# Altium PCB MU_MP_39_V1_ASMB.PcbDoc (part 5 of 15)
Units mm, origin at the board's own origin, x right, y up, seen from the top; angles counter-clockwise.
Board outline 133 x 94 mm, 8 copper layers (Top Layer, GND_1, POWER_1, POWER_2, GND_2, Inner_Layer, GND_3, Bottom Layer), stack 1.468 mm thick; 934 components, 729 nets, 4006 pads, 2645 vias.
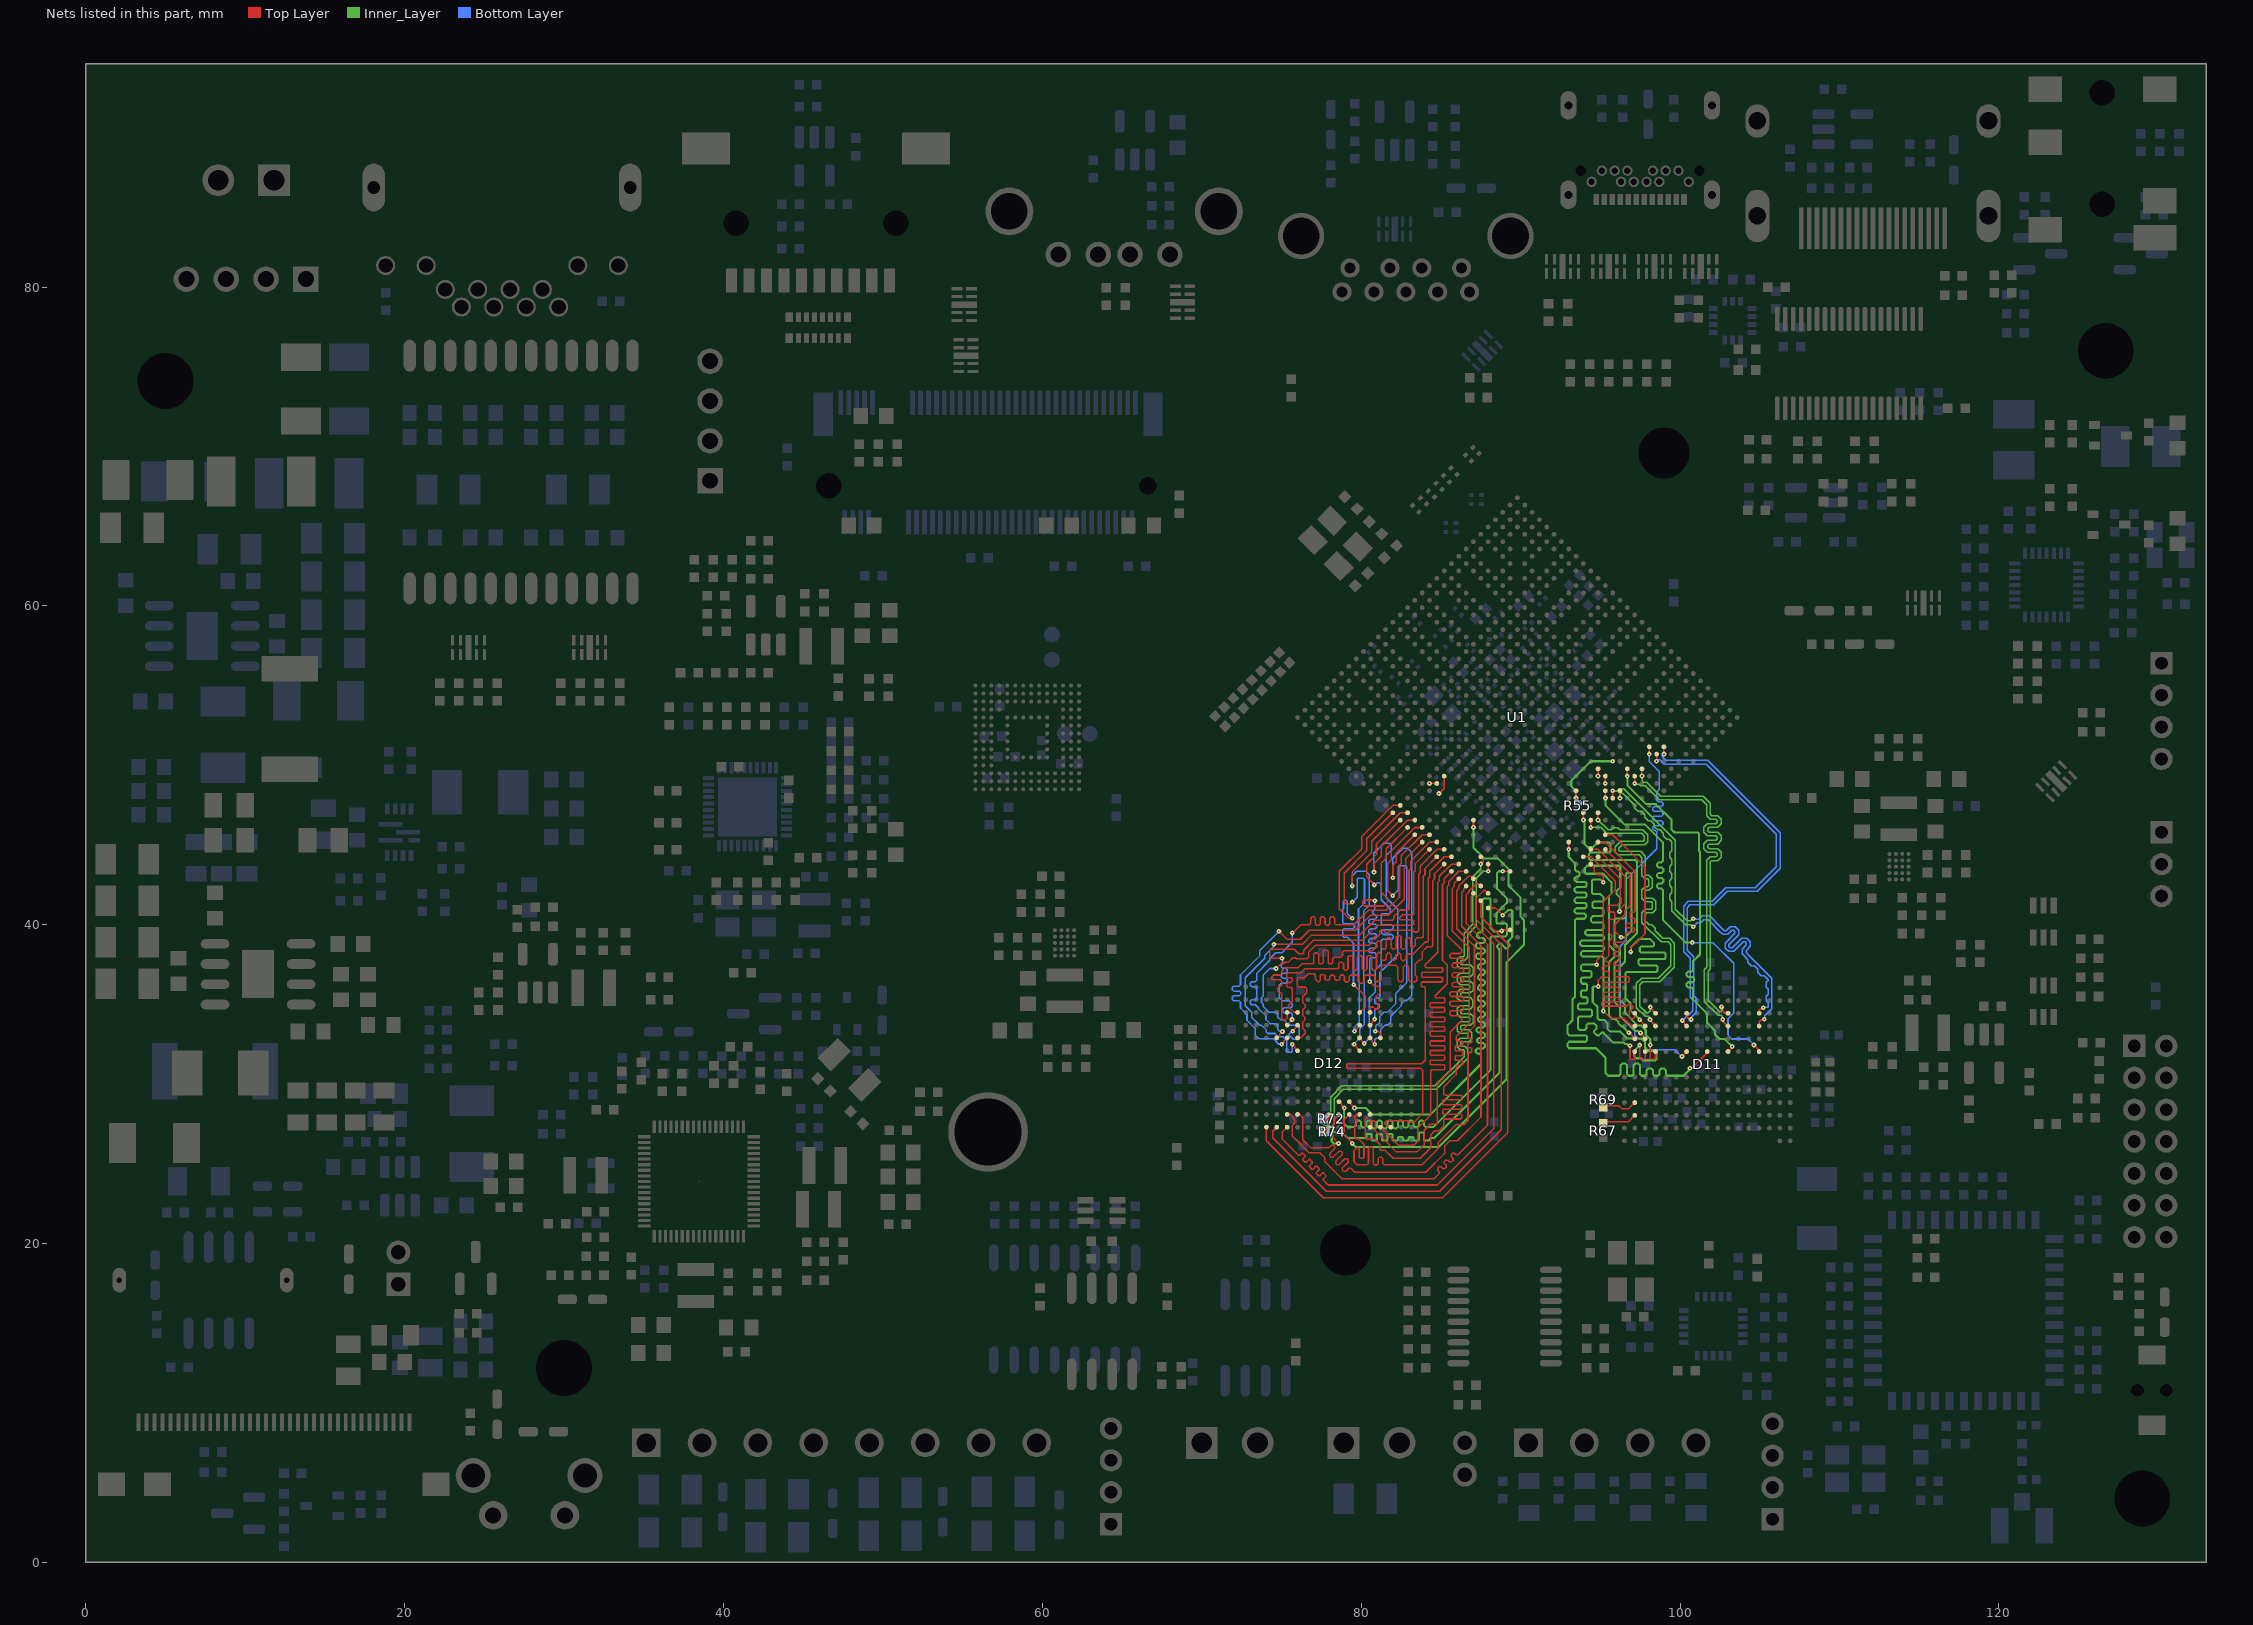
[diagram p11: the nets of this part, all layers, seen from the top]

## Via types
v1: diameter 0.3, hole 0.1, Top Layer to Bottom Layer, tented both sides, 1670 vias
v2: diameter 0.4, hole 0.2, Top Layer to Bottom Layer, tented both sides, 843 vias
v3: diameter 0.6, hole 0.3, Top Layer to Bottom Layer, tented both sides, 132 vias

## Nets (pads, with @x,y where several pads share a name; then routed paths per layer and width w, separated by ;. In a path a pad name is that pad's centre, name@x,y a point inside that pad or via, vN(x,y) a via of type N, cw(c..) or ccw(c..) an arc to the next point about the centre after c; other vN are vias at no path point) (continued)
DDR0_D25: D11.C10 U1.P2 | length 23.7
  Top Layer w0.1: U1.P2@95.316,45.646 95.786,45.646 96.468,44.964 97.776,43.656 97.802,43.63 97.802,39.427 96.912,38.537 v1(96.912,38.297) ; v1(97.472,34.038) 97.65,33.86 97.65,33.8 D11.C10@97.805,33.645
  Inner_Layer w0.13: v1(96.912,38.297) 96.912,38.588 97.424,39.1 98.125,39.1 98.375,38.85 98.375,38.701 98.299,38.625 97.551,38.625 97.475,38.549 97.475,38.35 97.575,38.25 98.8,38.25 99.024,38.25 99.1,38.174 99.1,37.926 99.024,37.85 97.476,37.85 97.4,37.774 97.4,37.526 97.476,37.45 98.499,37.45 98.575,37.374 98.575,37.101 98.499,37.025 96.651,37.025 96.575,36.949 96.575,35.402 96.886,35.09 96.886,34.639 97.472,34.053 v1(97.472,34.038)
DDR0_D26: D11.C9 U1.N1 | length 23.7
  Top Layer w0.1: U1.N1@95.323,44.727 96.872,43.178 96.872,41.197 96.55,40.875 96.55,40.649 95.871,39.97 95.871,39.643 v1(96.302,39.211) ; v1(97.518,33.217) 97.518,33.216 97.675,33.058 97.675,32.975 97.805,32.845 D11.C9@97.813,32.845
  Inner_Layer w0.13: v1(96.302,39.211) 96.561,39.211 96.95,39.6 96.95,43.174 96.874,43.25 96.676,43.25 96.6,43.174 96.6,40.51 96.469,40.38 95.956,40.38 95.88,40.304 95.88,38.845 96.22,38.505 96.22,37.865 95.88,37.525 95.88,35.163 96.226,34.817 96.226,34.299 97.181,33.344 97.357,33.344 97.484,33.217 v1(97.518,33.217)
DDR0_D27: D11.C8 U1.M1 | length 23.5
  Top Layer w0.1: U1.M1@94.856,44.267 96.252,42.871 96.252,41.425 96.051,41.225 95.559,41.225 95.5,41.166 95.5,40.859 95.559,40.8 95.841,40.8 95.9,40.741 95.9,40.425 95.83,40.355 95.599,40.355 95.54,40.296 95.54,39.51 95.725,39.325 95.725,39.15 95.54,38.965 95.54,38.065 95.304,37.829 95.304,37.746 95.363,37.688 95.516,37.688 95.575,37.629 95.575,37.484 95.516,37.425 95.189,37.425 95.131,37.366 95.131,37.144 95.2,37.075 95.482,37.075 95.54,37.016 95.54,36.759 95.482,36.7 95.05,36.7 94.88,36.53 94.875,36.524 94.875,36.136 v1(94.864,36.125) ; v1(97.475,32.45) 97.475,31.609 97.534,31.55 97.754,31.55 97.813,31.609 D11.C8@97.813,32.046
  Inner_Layer w0.13: v1(94.864,36.125) 94.601,36.125 94.525,36.049 94.525,35.147 94.829,34.843 94.829,34.12 94.92,34.03 95.236,34.03 95.439,33.827 95.439,33.486 95.631,33.293 96.252,33.293 96.683,32.861 97.614,32.861 97.8,32.675 97.8,32.3 98.013,32.088 98.412,32.088 98.522,31.978 98.522,31.576 98.446,31.5 97.675,31.5 97.55,31.625 97.25,31.625 97.1,31.775 97.1,32.075 v1(97.475,32.45)
DDR0_D28: D11.B11 U1.N2 | length 25.6
  Top Layer w0.1: U1.N2@94.856,45.186 95.308,45.186 97.175,43.32 97.175,40.834 97.116,40.775 96.934,40.775 96.875,40.716 96.875,40.46 96.934,40.402 97.116,40.402 97.175,40.343 97.175,40.163 97.116,40.105 96.684,40.105 96.625,40.046 96.625,39.858 96.684,39.8 97.077,39.8 97.159,39.717 97.159,39.634 97.15,39.625 ; 97.15,39.624 97.063,39.537 96.661,39.537 96.602,39.479 96.602,39.077 96.426,38.9 95.909,38.9 95.85,38.841 95.85,38.634 95.909,38.575 96.166,38.575 96.225,38.516 96.225,38.35 96.175,38.3 95.899,38.3 95.84,38.241 95.84,38.109 95.899,38.05 96.15,38.05 96.225,37.975 96.225,37.75 96.175,37.7 95.934,37.7 95.875,37.641 95.875,37.509 95.934,37.45 96.15,37.45 96.225,37.375 96.225,37.15 96.175,37.1 95.899,37.1 95.84,37.041 95.84,36.784 95.899,36.725 96.766,36.725 96.825,36.666 96.825,36.459 96.766,36.4 95.234,36.4 95.175,36.341 95.175,36.134 95.234,36.075 96.141,36.075 96.2,36.016 96.2,35.816 96.141,35.757 95.234,35.757 95.175,35.698 95.175,35.511 95.234,35.452 96.141,35.452 96.2,35.394 96.2,35.234 96.141,35.175 95.159,35.175 95.1,35.116 95.1,34.959 95.159,34.9 96.652,34.9 96.768,35.017 96.896,35.017 97.04,34.873 97.04,34.79 96.825,34.575 96.825,34.182 96.884,34.123 97.061,34.123 97.163,34.225 D11.B11@97.163,34.445
DDR0_D29: D11.B10 U1.L1 | length 23.5
  Top Layer w0.1: U1.L1@94.396,43.808 94.627,43.577 94.627,43.323 94.798,43.152 95.052,43.152 95.185,43.019 v1(95.185,42.666) ; v1(95.185,34.589) 95.642,34.131 96.477,34.131 96.963,33.645 D11.B10@97.163,33.645
  Inner_Layer w0.13: v1(95.185,42.666) 95.001,42.85 94.551,42.85 94.475,42.774 94.475,42.001 94.551,41.925 95,41.925 95.205,41.72 95.205,41.526 95.129,41.45 94.582,41.45 94.506,41.374 94.506,41.126 94.582,41.05 95.075,41.05 95.205,40.92 95.205,40.68 95.075,40.55 94.543,40.55 94.425,40.432 94.425,40.226 94.501,40.15 95.075,40.15 95.205,40.02 95.205,39.912 95.205,39.768 95.106,39.669 94.153,39.669 94.054,39.57 94.054,39.438 94.153,39.339 95.121,39.339 95.22,39.24 95.22,39.108 95.121,39.009 93.836,39.009 93.737,38.91 93.737,38.778 93.836,38.679 95.122,38.679 95.221,38.58 95.221,38.448 95.122,38.349 93.878,38.349 93.779,38.25 93.779,38.118 93.878,38.019 95.106,38.019 95.205,37.92 95.205,37.855 95.205,34.609 v1@95.189,34.593
DDR0_D30: D11.B9 U1.M2 | length 23.9
  Top Layer w0.1: U1.M2@94.396,44.727 94.848,44.727 96.562,43.013 96.562,41.311 96.239,40.988 96.239,40.875 v1(96.201,40.837) ; v1(96.792,33.225) 96.825,33.225 97,33.05 97,33.008 D11.B9@97.163,32.845
  Inner_Layer w0.13: 95.55,38.925 95.55,38.708 ; v1(96.201,40.837) 96.201,41.316 96.25,41.365 96.25,41.695 96.025,41.92 96.025,42.125 96.25,42.35 96.25,43.624 96.174,43.7 95.769,43.7 94.175,43.7 94.025,43.55 94.025,43.276 94.101,43.2 95.168,43.2 95.693,42.675 95.693,41.955 95.55,41.812 95.55,38.708 ; v1(96.792,33.225) 96.403,33.613 96.337,33.613 96.131,33.819 96.131,33.903 95.947,34.087 95.738,34.087 95.55,34.275 95.55,37.662 95.89,38.002 95.89,38.368 95.55,38.708
DDR0_D31: D11.B8 U1.L2 | length 23.7
  Top Layer w0.1: U1.L2@93.937,44.267 94.169,44.267 94.408,44.267 95.947,42.728 95.947,42.209 95.185,41.447 95.185,38.166 94.778,37.76 v1(94.778,37.484) ; v1@96.871,32.404 v1(96.861,32.404) 96.863,32.403 96.863,31.609 96.921,31.55 97.1,31.55 97.163,31.613 D11.B8@97.163,32.046
  Inner_Layer w0.13: v1(94.778,37.484) 94.763,37.5 93.876,37.5 93.8,37.424 93.8,37.186 93.876,37.11 94.365,37.11 94.45,37.025 94.45,36.776 94.374,36.7 93.876,36.7 93.8,36.624 93.8,36.376 93.876,36.3 94.099,36.3 94.175,36.224 94.175,35.951 94.099,35.875 93.876,35.875 93.8,35.799 93.8,35.526 93.876,35.45 94.119,35.45 94.195,35.374 94.195,35.126 94.119,35.05 93.676,35.05 93.6,34.974 93.6,34.751 93.676,34.675 94.399,34.675 94.475,34.599 94.475,34.326 94.399,34.25 93.676,34.25 93.6,34.174 93.6,33.5 93.705,33.395 94.025,33.395 94.125,33.495 94.125,33.7 94.225,33.8 94.627,33.8 94.751,33.676 94.751,33.476 94.616,33.341 94.616,33.234 94.796,33.054 94.904,33.054 95.085,33.235 95.192,33.235 95.82,32.607 96.471,32.607 96.547,32.531 96.7,32.531 96.827,32.404 v1(96.861,32.404)
DDR0_DM0: D11.L8 U1.Y5 | length 23.6
  Top Layer w0.1: v1(96.694,49.325) U1.Y5@96.694,49.783 ; D11.L8@103.013,32.046 103.021,32.046 103.237,32.262 103.237,32.323 v1(103.275,32.362)
  Inner_Layer w0.13: v1(96.694,49.325) 96.694,48.747 97.877,47.564 98.487,47.564 99.452,46.599 99.452,45.99 99.655,45.786 101.114,45.786 101.191,45.71 101.191,44.637 101.25,44.577 101.25,38.136 100.824,37.709 100.824,37.575 100.824,37.153 100.725,37.054 100.506,37.054 100.407,36.955 100.407,36.823 100.506,36.724 100.784,36.724 100.883,36.625 100.883,36.493 100.784,36.394 100.506,36.394 100.407,36.295 100.407,36.163 100.506,36.064 100.725,36.064 100.824,35.965 100.824,35.9 100.824,35.3 101.697,34.427 101.697,33.853 102.195,33.355 102.195,33.115 102.486,32.825 102.8,32.825 v1@103.263,32.362
DDR0_DM1: D11.G8 U1.AC5 | length 27
  Top Layer w0.1: v1(98.073,50.704) v1@98.073,50.729 ; v1@98.073,50.729 U1.AC5@98.073,51.162 ; v1(100.121,31.737) 100.121,31.742 100.413,32.034 D11.G8@100.413,32.046
  Bottom Layer w0.1: v1(98.073,50.704) 98.048,50.704 98.073,50.678 98.073,50.239 98.7,49.612 98.7,48.489 98.538,48.326 98.538,48.1 98.538,47.805 98.628,47.715 98.844,47.715 98.934,47.625 98.934,47.505 98.844,47.415 98.386,47.415 98.296,47.325 98.296,47.205 98.386,47.115 98.844,47.115 98.934,47.025 98.934,46.905 98.844,46.815 98.386,46.815 98.296,46.725 98.296,46.605 98.386,46.515 98.844,46.515 98.934,46.425 98.934,46.305 98.844,46.215 98.386,46.215 98.296,46.125 98.296,46.005 98.386,45.915 98.448,45.915 98.538,45.825 98.538,45.775 98.538,44.77 96.607,42.84 96.607,39.011 96.246,38.65 96.246,34.26 97.166,33.341 97.166,33.09 97.42,32.836 97.572,32.836 97.801,32.607 97.801,32.303 97.954,32.15 99.675,32.15 100.088,31.737 v1(100.121,31.737)
DDR0_DM2: D11.P8 U1.U5 | length 24.6
  Top Layer w0.1: v1(95.316,47.946) U1.U5@95.316,48.404 ; v1(104.634,32.455) 104.963,32.126 D11.P8@104.963,32.046
  Inner_Layer w0.13: v1(95.316,47.946) 95.316,47.484 96.506,46.294 97.797,46.294 98.925,45.167 98.925,44.316 98.925,44.013 98.826,43.914 98.663,43.914 98.564,43.815 98.564,43.683 98.663,43.584 98.86,43.584 98.959,43.485 98.959,43.353 98.86,43.254 98.663,43.254 98.564,43.155 98.564,43.023 98.663,42.924 98.86,42.924 98.959,42.825 98.959,42.693 98.86,42.594 98.663,42.594 98.564,42.495 98.564,42.363 98.663,42.264 98.826,42.264 98.925,42.165 98.925,42.1 98.925,40.319 100.366,38.878 v1(100.773,38.878)
  Bottom Layer w0.1: v1(100.773,38.878) 102.072,38.878 103.364,37.586 103.364,34.458 103.008,34.102 103.008,33.086 103.262,32.832 104.256,32.832 v1(104.634,32.455)
DDR0_DM3: D11.D8 U1.P5 | length 23.6
  Top Layer w0.1: v1(93.937,46.568) U1.P5@93.937,47.025 ; v1(98.131,32.455) 98.131,31.609 98.19,31.55 98.4,31.55 98.463,31.613 D11.D8@98.463,32.046
  Inner_Layer w0.13: v1(93.937,46.568) 94.016,46.488 94.016,45.053 94.21,44.86 94.535,44.86 94.825,45.15 95.544,45.15 95.625,45.069 95.625,44.601 95.549,44.525 94.376,44.525 94.3,44.449 94.3,44.126 94.376,44.05 97.2,44.05 97.3,43.95 97.3,39.476 96.55,38.726 96.55,37.685 96.21,37.345 96.21,35.3 96.556,34.954 96.556,34.469 97.351,33.674 97.572,33.674 97.848,33.399 97.848,33.102 98.131,32.819 v1(98.131,32.455)
DDR0_DQS0_N: D11.L11 U1.AA4 | length 23.8
  Top Layer w0.08: v1(97.613,49.328) U1.AA4@97.613,49.782 ; v1(102.605,34.843) 102.605,34.783 102.678,34.71 102.678,34.572 102.796,34.454 103.004,34.454 D11.L11@103.013,34.445
  Inner_Layer w0.09: v1@97.614,49.327 97.614,48.992 97.667,48.939 97.911,48.939 98.785,48.065 101.468,48.065 101.905,47.628 101.905,47.051 101.905,46.939 101.992,46.852 102.351,46.852 102.572,46.63 102.572,46.324 102.351,46.102 101.817,46.102 101.73,46.015 101.73,45.899 101.817,45.812 102.351,45.812 102.572,45.591 102.572,45.285 102.351,45.063 101.817,45.063 101.73,44.976 101.73,44.86 101.817,44.773 102.351,44.773 102.572,44.552 102.572,44.245 102.351,44.024 101.992,44.024 101.905,43.937 101.905,43.425 101.895,43.415 101.895,37.226 101.755,37.086 101.755,35.275 102.479,34.551 102.557,34.551 102.61,34.604 102.61,34.838 v1(102.605,34.843)
DDR0_DQS0_P: D11.L10 U1.Y4 | length 23.8
  Top Layer w0.08: v1@97.154,48.866 U1.Y4@97.154,49.323 ; v1(102.674,34.054) 102.716,34.012 102.716,33.909 102.98,33.645 D11.L10@103.013,33.645
  Inner_Layer w0.09: v1(97.154,48.865) 97.194,48.825 97.425,48.825 97.536,48.714 97.811,48.714 98.588,47.937 ; 98.588,47.937 98.69,47.835 101.373,47.835 101.675,47.533 101.675,47.051 101.675,46.844 101.897,46.622 102.256,46.622 102.343,46.535 102.343,46.419 102.256,46.332 101.722,46.332 101.501,46.111 101.501,45.804 101.722,45.583 102.256,45.583 102.343,45.496 102.343,45.38 102.256,45.293 101.722,45.293 101.501,45.071 101.501,44.765 101.722,44.544 102.256,44.544 102.343,44.457 102.343,44.341 102.256,44.254 101.897,44.254 101.675,44.032 101.675,43.425 101.675,43.315 101.665,43.305 101.665,37.321 101.525,37.181 101.525,35.18 102.384,34.321 102.557,34.321 102.634,34.245 102.634,34.094 v1(102.674,34.054)
DDR0_DQS1_N: D11.G11 U1.AD4 | length 27.1
  Top Layer w0.08: v1(98.992,50.704) U1.AD4@98.992,51.162 ; D11.G11@100.413,34.445 100.42,34.438 100.42,34.23 100.547,34.103 100.649,34.103 v1(100.691,34.061)
  Bottom Layer w0.08: v1(98.992,50.704) 98.879,50.59 98.879,50.524 99.098,50.305 101.746,50.305 106.271,45.779 106.271,43.537 104.829,42.094 102.963,42.094 102.118,41.25 100.625,41.25 100.45,41.075 100.45,38.41 100.864,37.997 100.864,35.535 101.025,35.374 101.025,34.515 100.733,34.223 100.733,34.103 v1(100.691,34.061)
DDR0_DQS1_P: D11.G10 U1.AC4 | length 27
  Top Layer w0.08: v1(98.525,50.251) 98.525,50.694 U1.AC4@98.533,50.702 ; v1(100.142,34) 100.15,34 100.279,33.871 100.279,33.779 D11.G10@100.413,33.645
  Bottom Layer w0.08: v1(98.525,50.251) 98.636,50.361 98.716,50.361 99.003,50.075 101.65,50.075 106.041,45.684 106.041,43.632 104.734,42.324 102.868,42.324 102.023,41.48 100.53,41.48 100.22,41.17 100.22,38.315 100.634,37.901 100.634,35.44 100.795,35.279 100.795,34.61 100.185,34 v1(100.142,34)
DDR0_DQS2_N: D11.P11 U1.V4 | length 24.6
  Top Layer w0.08: v1(96.235,47.946) 96.225,47.956 96.225,48.394 U1.V4@96.235,48.404 ; D11.P11@104.963,34.445 104.967,34.45 104.967,34.663 105.048,34.744 105.172,34.744 v1(105.214,34.786)
  Inner_Layer w0.09: v1(96.235,47.946) 96.205,47.976 96.205,48.192 96.275,48.262 96.413,48.262 97.138,47.538 97.169,47.506 97.169,47.322 97.381,47.11 97.579,47.11 97.791,46.898 97.791,46.738 98.003,46.526 98.163,46.526 98.375,46.314 98.375,46.155 98.587,45.943 98.746,45.943 98.958,45.731 98.958,45.572 99.17,45.36 99.315,45.36 99.475,45.2 99.485,45.19 99.485,44.7 99.485,44.655 99.355,44.525 99.355,44.225 99.495,44.085 99.495,43.785 99.355,43.645 99.355,43.345 99.495,43.206 99.495,42.906 99.355,42.766 99.355,42.466 99.495,42.326 99.495,42.026 99.355,41.886 99.355,41.586 99.485,41.456 99.485,41.325 99.485,40.872 100.347,40.01 100.667,40.01 100.802,39.875 v1(100.825,39.875)
  Bottom Layer w0.08: v1(100.825,39.875) 100.847,39.875 101.092,40.12 101.295,40.12 101.495,40.32 101.755,40.32 102.537,39.537 102.613,39.461 102.681,39.394 102.99,39.394 103.249,39.653 103.368,39.653 103.447,39.574 103.447,39.455 102.841,38.849 102.841,38.54 103.055,38.326 103.365,38.326 103.97,38.932 104.089,38.932 104.168,38.853 104.168,38.734 103.909,38.475 103.909,38.166 104.086,37.988 104.162,37.912 104.225,37.85 104.253,37.822 104.253,37.638 104.465,37.426 104.66,37.426 104.873,37.213 104.873,37.018 105.085,36.806 105.269,36.806 105.526,36.548 105.526,36.518 105.396,36.388 105.396,36.088 105.534,35.95 105.534,35.65 105.406,35.522 105.406,35.222 105.526,35.102 105.526,34.925 105.526,34.822 105.249,34.822 v1(105.214,34.786)
DDR0_DQS2_P: D11.P10 U1.U4 | length 24.6
  Top Layer w0.08: U1.U4@95.775,47.944 v1@95.775,48.406 ; D11.P10@104.963,33.645 104.963,33.899 105.097,34.034 105.256,34.034 v1(105.288,34.065)
  Inner_Layer w0.09: v1(95.775,48.406) 95.805,48.376 96.035,48.376 96.184,48.525 96.475,48.525 99.715,45.285 99.715,40.967 100.442,40.24 100.667,40.24 100.802,40.375 v1(100.825,40.375)
  Bottom Layer w0.08: v1(100.825,40.375) 100.85,40.35 101.092,40.35 101.2,40.35 101.4,40.55 101.85,40.55 102.537,39.863 102.7,39.7 102.776,39.624 102.895,39.624 103.154,39.883 103.463,39.883 103.677,39.669 103.677,39.36 103.071,38.754 103.071,38.635 103.15,38.556 103.269,38.556 103.875,39.162 104.184,39.162 104.398,38.948 104.398,38.639 104.139,38.38 104.139,38.261 104.249,38.151 104.325,38.075 105.575,36.825 105.756,36.644 105.756,34.727 105.33,34.3 105.33,34.107 v1(105.288,34.065)
DDR0_DQS3_N: D11.D11 U1.R4 | length 23.6
  Top Layer w0.08: v1(94.856,46.568) 94.85,46.574 94.85,47.019 U1.R4@94.856,47.025 ; v1(98.13,34.831) 98.13,34.818 98.3,34.648 98.3,34.608 D11.D11@98.463,34.445
  Inner_Layer w0.09: v1(94.856,46.568) 94.872,46.568 95.49,45.95 95.625,45.95 95.67,45.95 95.79,46.07 96.09,46.07 96.21,45.95 96.35,45.95 97.675,45.95 97.975,45.65 97.975,45.195 97.784,45.005 96.38,45.005 96.17,44.795 96.17,44.653 96.223,44.6 97.524,44.6 97.83,44.294 97.83,43.275 97.83,43.166 97.904,43.092 98.052,43.092 98.254,42.89 98.254,42.364 98.052,42.162 97.904,42.162 97.83,42.089 97.83,41.746 97.904,41.672 98.278,41.672 98.48,41.47 98.48,40.944 98.278,40.742 97.904,40.742 97.83,40.669 97.83,40.325 97.83,40.231 97.993,40.068 98.054,40.007 98.224,40.007 98.436,39.795 98.436,39.625 98.468,39.593 98.916,39.145 99.341,39.145 99.645,38.841 99.645,37.345 98.725,36.425 97.675,36.425 97.488,36.238 97.488,34.898 97.898,34.488 98.011,34.488 98.123,34.6 98.123,34.824 v1(98.13,34.831)
DDR0_DQS3_P: D11.D10 U1.P4 | length 23.6
  Top Layer w0.08: v1(94.397,46.108) U1.P4@94.396,46.565 ; v1(98.115,34.047) 98.3,33.862 98.3,33.808 D11.D10@98.463,33.645
  Inner_Layer w0.09: v1(94.397,46.108) 95.021,46.108 95.399,45.73 97.584,45.73 97.755,45.559 97.755,45.286 97.693,45.225 96.289,45.225 95.95,44.886 95.95,44.562 96.132,44.38 97.433,44.38 97.61,44.203 97.61,43.275 97.61,43.074 97.812,42.872 97.961,42.872 98.034,42.799 98.034,42.456 97.961,42.382 97.812,42.382 97.61,42.18 97.61,41.654 97.812,41.452 98.187,41.452 98.26,41.379 98.26,41.036 98.187,40.962 97.812,40.962 97.61,40.76 97.61,40.325 97.61,40.14 98.825,38.925 99.25,38.925 99.425,38.75 99.425,37.437 98.633,36.645 97.584,36.645 97.268,36.329 97.268,34.807 97.807,34.268 98.008,34.268 98.075,34.201 98.075,34.087 v1(98.115,34.047)
DDR0_ODT0: D11.J8 U1.L4 | length 35.4
  Top Layer w0.1: v1(93.018,44.73) U1.L4@93.017,45.186 ; v1(100.625,31) 100.663,31.038 100.788,31.038 101.713,31.963 D11.J8@101.713,32.046
  Inner_Layer w0.13: v1(93.018,44.73) 93.018,44.252 93.407,43.863 93.407,43.6 93.407,43.444 93.506,43.345 93.596,43.345 93.695,43.246 93.695,43.114 93.596,43.015 93.492,43.015 93.393,42.916 93.393,42.784 93.492,42.685 94.045,42.685 94.144,42.586 94.144,42.454 94.045,42.355 93.492,42.355 93.393,42.256 93.393,42.124 93.492,42.025 94.045,42.025 94.144,41.926 94.144,41.794 94.045,41.695 93.492,41.695 93.393,41.596 93.393,41.464 93.492,41.365 94.045,41.365 94.144,41.266 94.144,41.134 94.045,41.035 93.492,41.035 93.393,40.936 93.393,40.804 93.492,40.705 93.996,40.705 94.095,40.606 94.095,40.474 93.996,40.375 93.506,40.375 93.407,40.276 93.407,40.025 93.4,40.018 93.4,39.881 93.4,35.475 93.254,35.329 93.254,34.004 92.95,33.7 92.95,33.166 93.051,33.065 94.089,33.065 94.169,32.984 94.169,32.76 94.067,32.658 93.051,32.658 92.95,32.557 92.95,32.353 93.051,32.252 94.728,32.252 95.337,31.642 95.337,30.677 95.49,30.525 96.166,30.525 96.268,30.626 96.268,31.185 96.369,31.287 96.572,31.287 96.674,31.185 96.674,30.626 96.776,30.525 96.979,30.525 97.08,30.626 97.08,31.185 97.182,31.287 97.385,31.287 97.487,31.185 97.487,30.626 97.588,30.525 97.794,30.525 97.896,30.626 97.896,30.88 97.997,30.982 98.2,30.982 98.302,30.88 98.302,30.626 98.404,30.525 98.607,30.525 98.708,30.626 98.708,30.88 98.81,30.982 99.013,30.982 99.115,30.88 99.115,30.626 99.216,30.525 100.214,30.525 100.543,30.854 100.543,30.872 100.625,30.954 v1(100.625,31)
DDR0_PLL_TESTPOINT_N: U1.V7 | length 0.5
  Top Layer w0.08: v1(94.856,49.328) U1.V7@94.856,49.782
DDR0_PLL_TESTPOINT_P: U1.V6 | length 0.5
  Top Layer w0.08: v1(95.315,48.868) U1.V6@95.315,49.323
DDR0_PQZ: R55.1 U1.R7 | length 5.1
  Top Layer w0.1: v1(93.478,47.946) U1.R7@93.477,48.404
  Inner_Layer w0.13: v1(93.478,47.946) 93.478,48.397 93.177,48.698 93.177,49.027 94.407,50.257 95.768,50.257 v1(95.775,50.25)
  Bottom Layer w0.1: v1(93.478,47.946) 93.478,47.941 93.694,47.724 R55.1@93.694,47.719
  Bottom Layer w0.11: R55.1@93.769,47.644 R55.1@93.775,47.65
DDR0_ZQ00: D11.B3 R67.2 | length 2.2
  Top Layer w0.1: R67.2@95.184,27.542 95.272,27.629 96.746,27.629 D11.B3@97.163,28.046
DDR0_ZQ01: D11.B4 R69.2 | length 2.3
  Top Layer w0.1: R69.2@95.184,28.572 95.258,28.645 96.157,28.645 96.302,28.5 96.353,28.449 96.766,28.449 D11.B4@97.163,28.845
DDR1_A0: D12.R2 U1.B10 | length 34.4
  Top Layer w0.1: D12.R2@81.854,27.301 81.82,27.335 81.665,27.335 81.491,27.509 81.491,27.591 81.6,27.7 82.919,27.7 83.019,27.6 83.29,27.6 83.85,28.16 83.85,29.902 ; 83.85,30.391 83.85,30.875 83.725,31 79.159,31 79.1,31.059 79.1,31.216 79.159,31.275 83.8,31.275 84.025,31.5 84.025,36 84.025,36.05 83.966,36.109 83.818,36.109 83.773,36.154 83.773,36.364 83.818,36.409 85.052,36.409 85.097,36.454 85.097,36.664 85.052,36.709 83.837,36.709 83.792,36.754 83.792,36.964 83.837,37.009 85.052,37.009 85.097,37.054 85.097,37.264 85.052,37.309 84.084,37.309 84.025,37.367 84.025,37.5 84.175,37.65 84.8,38.275 84.8,42.65 84.9,42.75 84.9,43.037 85.663,43.8 86.115,43.8 U1.B10@86.123,43.808 ; 83.851,29.902 83.851,30.39